# Altium PCB Base PCB.PcbDoc (part 1 of 2) (continued)
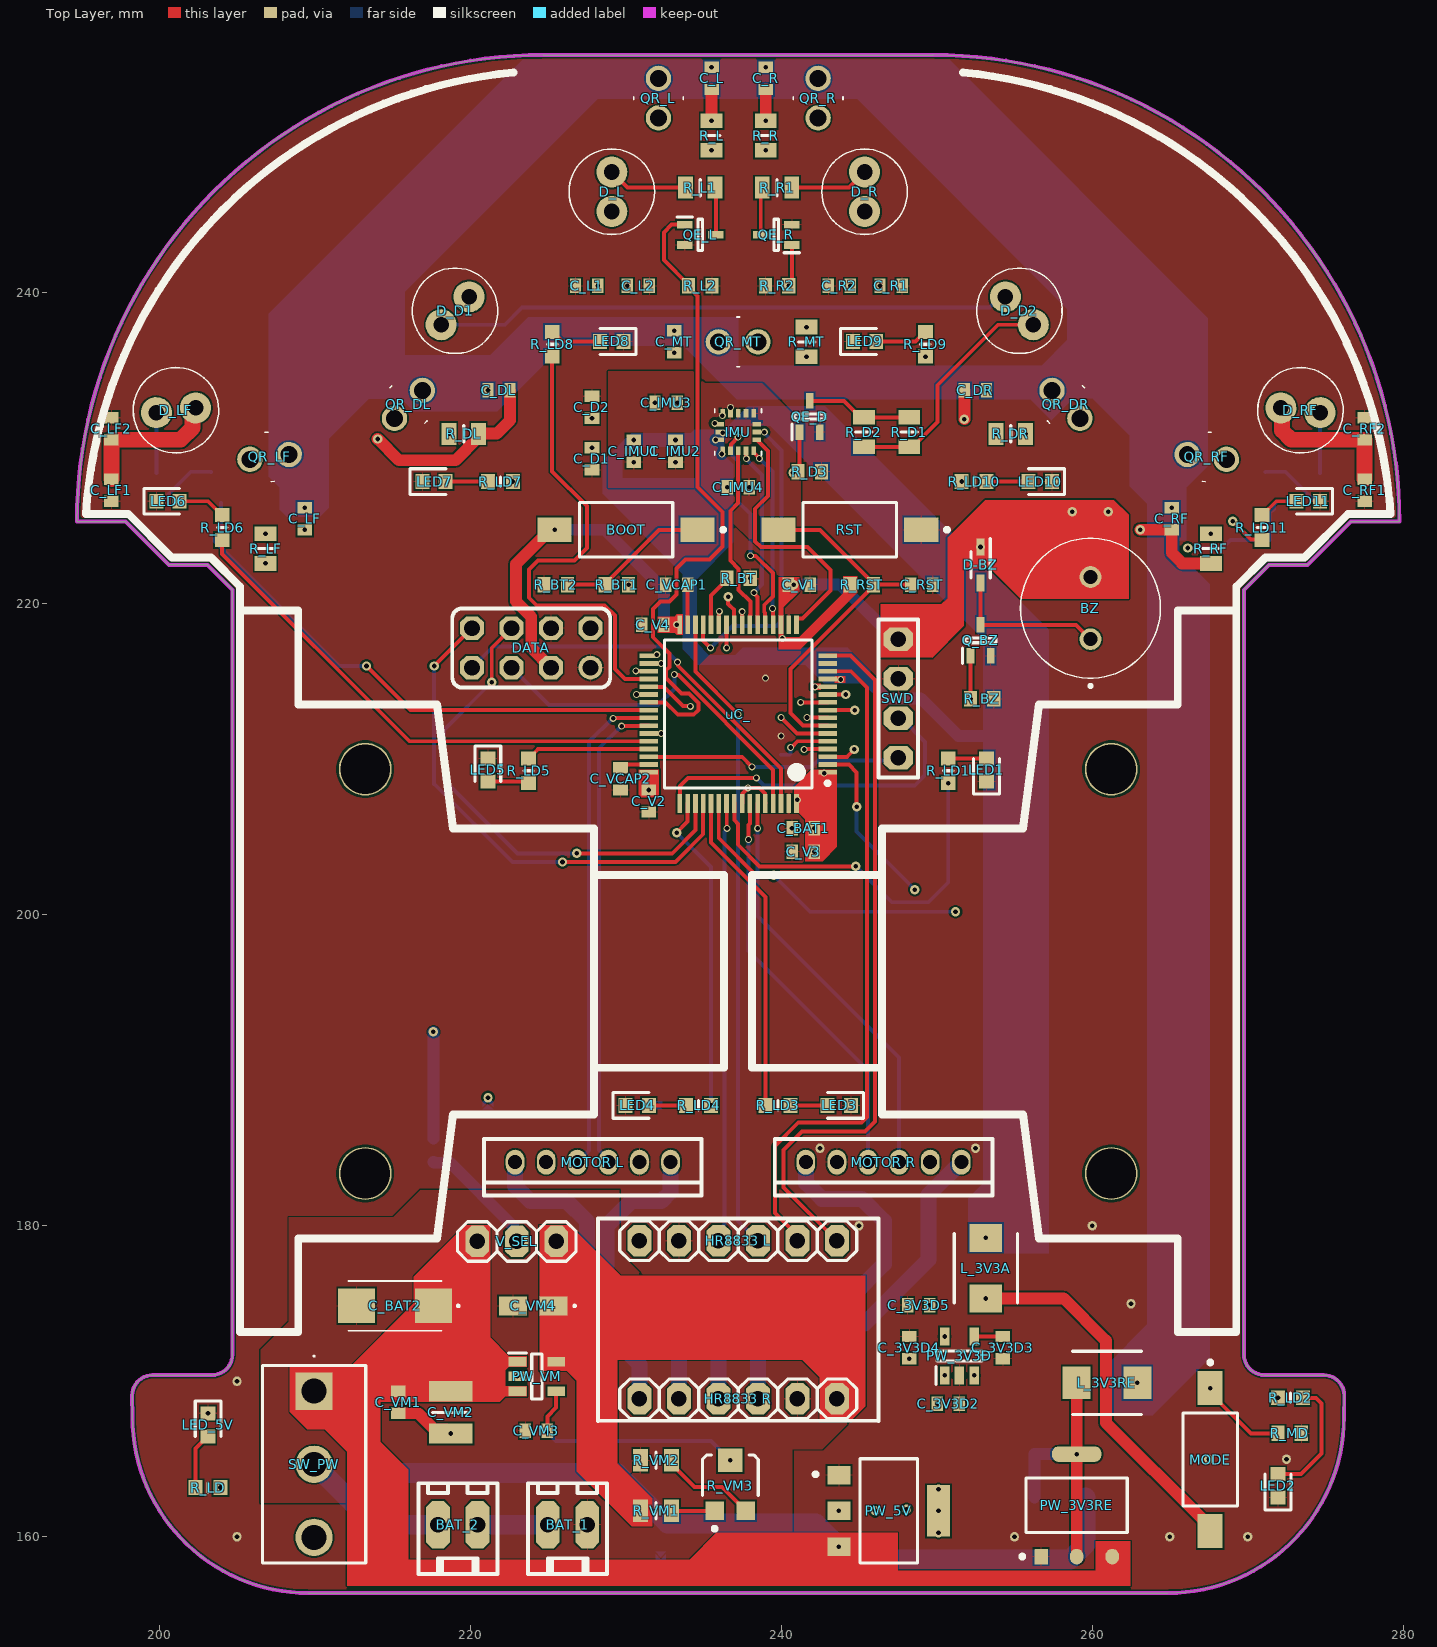
[diagram p0: Top Layer view]
## Components (designator, comment, footprint, x,y, rotation, side; value= is the part's Value field where it differs from the comment) (continued)
BZ "QMB-09B-03" CST931AP 259.893,217.729 r0 top
C_3V3D1 "CL10A106KP8NNNC" CAPC1608X90N 250.75,168.554 r0 bottom
C_3V3D2 "CL10B104KB8NNNC" CAPC1608X90N 250.75,168.554 r0 top
C_3V3D3 "CL10B104KB8NNNC" CAPC1608X90N 254.254,172.174 r270 top
C_3V3D4 "CL10B104KB8NNNC" CAPC1608X90N 248.24,172.174 r90 top
C_3V3D5 "CL10A106KP8NNNC" CAPC1608X90N 248.845,174.904 r180 top
C_3V3RE1 "CL10A106KP8NNNC" CAPC1608X90N 258.855,162.535 r180 bottom
C_3V3RE2 "CL10B104KB8NNNC" CAPC1608X90N 258.851,160.63 r180 bottom
C_3V3RE3 "CL10B104KB8NNNC" CAPC1608X90N 256.286,161.825 r90 bottom
C_3V3RE4 "CL10A106KP8NNNC" CAPC1608X90N 255.576,165.322 r0 bottom
C_5V1 "CL21B105KBFNNNE" CAPC2012X135N 241.173,161.672 r270 bottom
C_5V2 "CL21A475KAQNNNE" CAPC2012X140N 246.041,162.492 r270 bottom
C_5V3 "CL10B104KB8NNNC" CAPC1608X90N 248.056,162.492 r90 bottom
C_BAT1 "CL10A225KP8NNNC" CAPC1608X90N 241.411,205.562 r0 top
C_BAT2 "T491C227K010AT" T491C 215.163,174.854 r180 top
C_BZ1 "CL10B104KB8NNNC" CAPC1608X90N 261.75,225.936 r180 bottom
C_BZ2 "CL10A106KP8NNNC" CAPC1608X90N 258,225.936 r0 bottom
C_D1 "CL10B104KB8NNNC" CAPC1608X90N 227.832,229.33 r90 top
C_D2 "CL10A475KP8NNNC" CAPC1608X90N 227.832,232.643 r270 top
C_DL "CL10A225KP8NNNC" CAPC1608X90N 221.852,233.731 r180 top
C_DR "CL10A225KP8NNNC" CAPC1608X90N 252.494,233.731 r0 top
C_IMU1 "CL10B104KB8NNNC" CAPC1608X90N 230.517,229.83 r90 top
C_IMU2 "CL10A106KP8NNNC" CAPC1608X90N 233.201,229.83 r90 top
C_IMU3 "CL10B103KB8NNNC" CAPC1608X90N 232.596,232.933 r180 top
C_IMU4 "CL10B104KB8NNNC" CAPC1608X90N 237.236,227.512 r180 top
C_L "CL10A225KP8NNNC" CAPC1608X90N 235.523,253.797 r90 top
C_L1 "CL10B104KB8NNNC" CAPC1608X90N 227.484,240.451 r0 top
C_L2 "CL10A475KP8NNNC" CAPC1608X90N 230.81,240.451 r180 top
C_LF "CL10A225KP8NNNC" CAPC1608X90N 209.357,225.476 r90 top
C_LF1 "CL10B104KB8NNNC" CAPC1608X90N 196.926,227.311 r90 top
C_LF2 "CL10A475KP8NNNC" CAPC1608X90N 196.926,231.262 r270 top
C_MT "CL10A225KP8NNNC" CAPC1608X90N 233.13,236.852 r90 top
C_R "CL10A225KP8NNNC" CAPC1608X90N 239.01,253.797 r90 top
C_R1 "CL10B104KB8NNNC" CAPC1608X90N 247.067,240.451 r180 top
C_R2 "CL10A475KP8NNNC" CAPC1608X90N 243.741,240.451 r0 top
C_RF "CL10A225KP8NNNC" CAPC1608X90N 265.115,225.476 r90 top
C_RF1 "CL10B104KB8NNNC" CAPC1608X90N 277.52,227.311 r90 top
C_RF2 "CL10A475KP8NNNC" CAPC1608X90N 277.52,231.262 r270 top
C_RST "CL10B104KB8NNNC" CAPC1608X90N 249.035,221.238 r180 top
C_V1 "CL10B104KB8NNNC" CAPC1608X90N 241.157,221.238 r180 top
C_V2 "CL10B104KB8NNNC" CAPC1608X90N 231.486,207.324 r270 top
C_V3 "CL10B104KB8NNNC" CAPC1608X90N 241.411,204.064 r0 top
C_V4 "CL10B104KB8NNNC" CAPC1608X90N 231.75,218.669 r180 top
C_VA1 "CL10A225KP8NNNC" CAPC1608X90N 241.046,215.935 r90 bottom
C_VA2 "CL10B104KB8NNNC" CAPC1608X90N 238.997,215.935 r90 bottom
C_VCAP1 "CL10A225KP8NNNC" CAPC1608X90N 233.278,221.238 r180 top
C_VCAP2 "CL10A225KP8NNNC" CAPC1608X90N 229.667,208.744 r270 top
C_VM1 "CL10B104KB8NNNC" CAPC1608X90N 215.367,168.659 r270 top
C_VM2 "CL32A107MPVNNNE" CAPC3225X280N 218.745,168.009 r270 top
C_VM3 "CL10B103KB8NNNC" CAPC1608X90N 224.257,166.829 r0 top
C_VM4 "T491A105K016AT" T491A 224.053,174.854 r180 top
D-BZ "1N4148WX-TP" SOD2512X115N 252.822,222.507 r270 top
D_D1 "SFH_4545" SFH4545 218.132,237.955 r45 top
D_D2 "SFH_4545" SFH4545 256.214,237.955 r135 top
D_L "SFH_4545" SFH4545 229.108,247.777 r270 top
D_LF "SFH_4545" SFH4545 199.816,232.299 r7 top
D_R "SFH_4545" SFH4545 245.364,247.777 r270 top
D_RF "SFH_4545" SFH4545 274.656,232.299 r173 top
DATA "OLED I2C / BT UART" MY_FE04-2 223.926,217.17 r180 top locked
"HR8833 L" "Header 6" My_1X06 237.236,179.045 r0 top
"HR8833 R" "Header 6" My_1X06 237.236,168.885 r180 top
IMU "L3GD20HTR" H3LIS100DLTR 237.236,231.052 r90 top locked
L_3V3A "FXL0420-100-M" INDPM4441X120N 253.16,177.284 r90 top
L_3V3RE "FXL0420-100-M" INDPM4441X120N 260.954,169.909 r0 top
LED1 "NCD0603B1" LEDC1608X40N 253.204,209.319 r90 top
LED2 "NCD0603B1" LEDC1608X40N 271.95,163.285 r90 top
LED3 "NCD0603B1" LEDC1608X40N 243.736,187.75 r180 top
LED4 "NCD0603B1" LEDC1608X40N 230.736,187.75 r0 top
LED5 "NCD0603B1" LEDC1608X40N 221.142,209.319 r270 top
LED6 "NCD0603B1" LEDC1608X40N 200.566,226.601 r0 top
LED7 "NCD0603B1" LEDC1608X40N 217.677,227.87 r0 top
LED8 "NCD0603B1" LEDC1608X40N 229.108,236.876 r180 top
LED9 "NCD0603B1" LEDC1608X40N 245.364,236.876 r0 top
LED10 "NCD0603B1" LEDC1608X40N 256.668,227.87 r180 top
LED11 "NCD0603B1" LEDC1608X40N 273.906,226.601 r180 top
LED_5V "NCD0603B1" LEDC1608X40N 203.14,167.199 r270 top
MODE "TS-1101-C-W" TECO-FSMSM-2_V 267.589,164.973 r270 top
"MOTOR L" "Header 6" MY_53253-0670 222.886,184.099 r0 top
"MOTOR R" "Header 6" MY_53253-0670 241.586,184.099 r0 top
OSC "CSTNE16M0V53L000R0" CSTNE16M0V53L000R0 240,211.5 r270 bottom
PW_3V3D "TPS73633DBVR" SOT95P280X145-5N 251.46,171.634 r90 top
PW_3V3RE "AMS1117-3.3" FP-AMS1117-IPC_C 259.004,162.027 r90 top
PW_5V "LDL1117S50R" FP-SOT-223-0046067_14-MFG 246.913,161.672 r0 top
PW_VM "SPX3819M5-L/TR" SOT95P280X145-5N 224.282,170.319 r0 top
Q_BZ "DMN3150LW-7" SOT65P210X110-3N 252.822,217.655 r90 top
QE_D "DMN3150LW-7" SOT65P210X110-3N 241.833,232.052 r90 top
QE_L "DMN3150LW-7" SOT65P210X110-3N 234.798,243.737 r0 top
QE_LF "DMN3150LW-7" SOT65P210X110-3N 203.316,227.482 r90 bottom
QE_R "DMN3150LW-7" SOT65P210X110-3N 239.685,243.737 r180 top
QE_RF "DMN3150LW-7" SOT65P210X110-3N 271.156,227.482 r90 bottom
QR_DL "TEFT4300" TEFT4300 216.029,232.833 r45 top
QR_DR "TEFT4300" TEFT4300 258.316,232.833 r135 top
QR_L "TEFT4300" TEFT4300 232.109,252.527 r90 top
QR_LF "TEFT4300" TEFT4300 207.097,229.453 r7 top
QR_MT "TEFT4300" TEFT4300 237.236,236.852 r180 top
QR_R "TEFT4300" TEFT4300 242.376,252.527 r90 top
QR_RF "TEFT4300" TEFT4300 267.375,229.453 r173 top
R_BT "CRCW060347K0FKEA" RESC1608X50N 237.267,221.644 r180 top
R_BT1 "CRCW060347K0FKEA" RESC1608X50N 229.439,221.238 r180 top
R_BT2 "CRCW060347K0FKEA" RESC1608X50N 225.5,221.238 r0 top
R_BZ "CRCW060347K0FKEA" RESC1608X50N 252.922,213.893 r180 top
R_D1 "CRCW08055R60FKEA" RESC2012X60N 248.23,231.052 r90 top
R_D2 "CRCW08055R60FKEA" RESC2012X60N 245.324,231.052 r90 top
R_D3 "CRCW060347K0FKEA" RESC1608X50N 241.835,228.512 r180 top
R_DL "CRCW08051K80FKEA" RESC2012X60N 219.582,230.935 r180 top
R_DR "CRCW08051K80FKEA" RESC2012X60N 254.764,230.935 r0 top
R_L "CRCW08051K80FKEA" RESC2012X60N 235.523,250.122 r270 top
R_L1 "CRCW080510R0FKEAC" RESC2012X60N 234.798,246.777 r0 top
R_L2 "CRCW060347K0FKEA" RESC1608X50N 234.798,240.451 r180 top
R_LD "CRCW0603100RFKEAC" RESC1608X55N 203.14,163.172 r0 top
R_LD1 "CRCW0603100RFKEAC" RESC1608X55N 250.745,209.269 r270 top
R_LD2 "CRCW0603100RFKEAC" RESC1608X55N 272.75,168.943 r180 top
R_LD3 "CRCW0603100RFKEAC" RESC1608X55N 239.786,187.75 r180 top
R_LD4 "CRCW0603100RFKEAC" RESC1608X55N 234.686,187.75 r0 top
R_LD5 "CRCW0603100RFKEAC" RESC1608X55N 223.75,209.269 r90 top
R_LD6 "CRCW0603100RFKEAC" RESC1608X55N 204.048,224.907 r270 top
R_LD7 "CRCW0603100RFKEAC" RESC1608X55N 221.942,227.87 r0 top
R_LD8 "CRCW0603100RFKEAC" RESC1608X55N 225.274,236.702 r270 top
R_LD9 "CRCW0603100RFKEAC" RESC1608X55N 249.277,236.702 r270 top
R_LD10 "CRCW0603100RFKEAC" RESC1608X55N 252.404,227.87 r180 top
R_LD11 "CRCW0603100RFKEAC" RESC1608X55N 270.919,224.907 r270 top
R_LF "CRCW08051K80FKEA" RESC2012X60N 206.836,223.557 r90 top
R_LF1 "CRCW080510R0FKEAC" RESC2012X60N 199.816,227.457 r270 bottom
R_LF2 "CRCW060347K0FKEA" RESC1608X50N 202.798,224.107 r0 bottom
R_MD "CRCW060347K0FKEA" RESC1608X50N 272.7,166.649 r180 top
R_MT "CRCW08051K80FKEA" RESC2012X60N 241.633,236.852 r90 top
R_R "CRCW08051K80FKEA" RESC2012X60N 239.01,250.122 r270 top
R_R1 "CRCW080510R0FKEAC" RESC2012X60N 239.735,246.777 r180 top
R_R2 "CRCW060347K0FKEA" RESC1608X50N 239.735,240.451 r0 top
R_RF "CRCW08051K80FKEA" RESC2012X60N 267.636,223.557 r90 top
R_RF1 "CRCW080510R0FKEAC" RESC2012X60N 274.656,227.457 r270 bottom
R_RF2 "CRCW060347K0FKEA" RESC1608X50N 272.169,224.107 r180 bottom
R_RST "CRCW060347K0FKEA" RESC1608X50N 245.196,221.238 r180 top
R_V1 "CRCW060347K0FKEA" RESC1608X50N 217.633,184.849 r270 bottom
R_V2 "CRCW060347K0FKEA" RESC1608X50N 216.883,192.481 r0 bottom
R_V3 "CRCW060347K0FKEA" RESC1608X50N 216.883,189.078 r0 bottom
R_VM1 "CRCW0805105KFKEA" RESC2012X50N 231.953,161.672 r180 top
R_VM2 "CRCW080524K9FKEA" RESC2012X50N 231.953,164.922 r0 top
R_VM3 "TC33X-2-103E" BOUR-TC33X-2_V 236.728,163.472 r90 top
RST "TS-1101-C-W" TECO-FSMSM-2_V 244.415,224.766 r180 top
SPL_AGND1 "JUMPER" JUMPER 232.029,187.7 r180 bottom
SPL_AGND2 "JUMPER" JUMPER 221.142,187.7 r180 bottom
SPL_MGND "JUMPER" JUMPER 232.258,158.826 r0 bottom
SW_PW "SS12D10G5" GH36P010001 209.956,169.369 r270 top
SWD "Header 4" MY_FE04 247.539,213.919 r270 top
uC_ "STM32F405RGT6" STM-LQFP64_V 237.236,212.919 r180 top
V_SEL "Header 3" My_1X03 223,179 r0 top

## Footprints (in the part's own frame and the unit in brackets; to place one, negate y for a bottom-side part, rotate by r counter-clockwise, add the part's x,y. Pads: shape width x height; smd on the part's side, far side on the other; paste and mask are expansions set on the pad)
BOUR-TC33X-2_V [mm] "SMD, 3-Leads, Body 3.8x3.6mm"
  rect 1.2x1.2 smd: 1(-1.8,1) 3(-1.8,-1)
  rect 1.5x1.6 smd: 2(1.45,0)
  silkscreen extent -3.07,-1.8 1.8,1.8
CAPC1608X90N [mm]
  rect 0.73x0.94 smd: 1(-0.71,0) 2(0.71,0)
  body extent -0.8,-0.4 0.8,0.4, height 0.9
CAPC2012X135N [mm]
  rect 0.91x1.39 smd: 1(-0.82,0) 2(0.82,0)
  silkscreen extent 0,-0.53 0,0.53, body extent -1,-0.63 1,0.63, height 1.35
CAPC2012X140N [mm]
  rect 0.94x1.43 smd: 1(-0.82,0) 2(0.82,0)
  silkscreen extent 0,-0.53 0,0.53, body extent -1,-0.63 1,0.63, height 1.4
CAPC3225X280N [mm]
  rect 1.3x2.82 smd: 1(-1.36,0) 2(1.36,0)
  silkscreen extent 0,-1.15 0,1.15, body extent -1.6,-1.25 1.6,1.25, height 2.8
CST931AP [mm]
  round 1.4 hole 0.9: 1(0,0) 2(0,4)
  silkscreen extent -4.5,-3.1 4.5,6.5, body extent -4.5,-2.49 4.5,6.51, height 4.5
CSTNE16M0V53L000R0 [mm]
  rect 0.4x1.9 smd: 1(1.2,0) 2(0,0) 3(-1.2,0)
  silkscreen extent 1.25,-1.5 1.35,-1.4, body extent -1.6,-0.65 1.6,0.65, height 1
FP-AMS1117-IPC_C [mm]
  rect 1.004x0.872 smd paste+0 mask+0: 1(-3.295,2.29)
  rrect100% 1.004x0.872 smd paste+0 mask+0: 2(-3.295,0) 3(-3.295,-2.29)
  rrect87% 1.004x3.182 smd paste+0 mask+0: 4(3.295,0)
  silkscreen extent -3.42,-3.25 1.75,3.62, body extent -3.9,-3.35 3.9,3.35, height 0.25
FP-SOT-223-0046067_14-MFG [mm]
  rect 1.5x1.2 smd paste+0 mask+0: 1(-3.2,2.3) 2(-3.2,0) 3(-3.2,-2.3)
  rect 1.5x3.3 smd paste+0 mask+0: 4(3.2,0)
  silkscreen extent -4.82,-3.35 1.85,3.35, body extent -4.05,-3.45 4.05,3.45, height 0.25
GH36P010001 [mm]
  rect 2.4x2.4 hole 1.6: 1(0,0)
  round 2.4 hole 1.6: 2(4.7,0) 3(9.4,0)
  silkscreen extent -2.3,-3.32 11.05,3.32, body extent -1.65,-3.32 11.05,3.32, height 13.35
H3LIS100DLTR [mm]
  rect 0.55x0.3 smd: 1(-1.2,1) 2(-1.2,0.5) 3(-1.2,0) 4(-1.2,-0.5) 5(-1.2,-1) 9(1.2,-1) 10(1.2,-0.5) 11(1.2,0) 12(1.2,0.5) 13(1.2,1)
  rect 0.3x0.55 smd: 6(-0.5,-1.2) 7(0,-1.2) 8(0.5,-1.2) 14(0.5,1.2) 15(0,1.2) 16(-0.5,1.2)
  silkscreen extent -1.5,-1.5 1.5,1.5, body extent -1.5,-1.5 1.5,1.5, height 1
INDPM4441X120N [mm]
  rect 1.8x2.1 smd: 1(-1.95,0) 2(1.95,0)
  silkscreen extent -2.22,-2.03 2.22,2.03, body extent -2.22,-2.03 2.22,2.03, height 1.2
JUMPER [mm]
  rect 0.65x0.55 smd paste-2.54 mask-2.54: 1(0,-0.45) 2(0,0.55)
  Top Layer region: -0.325,-0.197 0.003,0.13 0.325,-0.197
  Top Layer region: -0.325,-0.041 0,0.284 0.325,-0.041 0.325,0.317 -0.325,0.318
LEDC1608X40N [mm]
  rect 0.9x0.95 smd: 1(-0.75,0) 2(0.75,0)
  silkscreen extent -1.55,-0.82 0.75,0.82
My_1X03 [mil]
  oct 60x80 hole 39.37: 1(-100,0) 2(0,0) 3(100,0)
  silkscreen extent -150,-50 150,50, body extent -149,-49 147,49, height 323
My_1X06 [mil]
  oct 60x80 hole 39.37: 1(-250,0) 2(-150,0) 3(-50,0) 4(50,0) 5(150,0) 6(250,0)
  silkscreen extent -300,-50 300,50, body extent -300,-49 296,49, height 323
MY_6410-02 [mil]
  oct 60x120 hole 40: 1(50,0) 2(-50,0)
  silkscreen extent -100,-105 100,125
MY_53253-0670 [mm]
  oval 1.2x1.6 hole 0.9: 1(0,0) 2(2,0) 3(4,0) 4(6,0) 5(8,0) 6(10,0)
  silkscreen extent -2,-2.15 12,1.5, body extent -2,-2.12 12,1.53, height 5.55
MY_FE04 [mm]
  oct 1.524x1.905 hole 1: 1(-3.81,0) 2(-1.27,0) 3(1.27,0) 4(3.81,0)
  silkscreen extent -5.08,-1.27 5.08,1.27, body extent -5.2,-1.25 5.21,1.25, height 8.5
MY_FE04-2 [mil]
  round 60 hole 39.37: 1(-150,50)
  oct 60x60 hole 39.37: 2(-150,-50) 3(-50,50) 4(-50,-50) 5(50,50) 6(50,-50) 7(150,50) 8(150,-50)
  silkscreen extent -200,-100 200,100, body extent -205,-98 205,98, height 335
RESC1608X50N [mm]
  rect 0.85x1 smd: 1(-0.75,0) 2(0.75,0)
  body extent -0.79,-0.43 0.79,0.43, height 0.5
RESC1608X55N [mm]
  rect 0.9x0.95 smd: 1(-0.8,0) 2(0.8,0)
  silkscreen extent 0,-0.3 0,0.3, body extent -0.8,-0.4 0.8,0.4, height 0.55
RESC2012X50N [mm]
  rect 0.95x1.45 smd: 1(-1,0) 2(1,0)
  silkscreen extent 0,-0.53 0,0.53
RESC2012X60N [mm]
  rect 0.95x1.4 smd: 1(-0.95,0) 2(0.95,0)
  silkscreen extent 0,-0.53 0,0.53, body extent -1,-0.63 1,0.63, height 0.6
SFH4545 [mm]
  round 2 hole 1: 1(0,0) 2(2.54,0)
  silkscreen extent -1.48,-2.75 4.02,2.75
SOD2512X115N [mm]
  rect 1.1x0.5 smd: 1(-1.15,0) 2(1.15,0)
  silkscreen extent -1.7,-0.63 0.85,0.63, body extent -1.25,-0.63 1.25,0.63, height 1.04
SOT65P210X110-3N [mm]
  rect 1x0.5 smd: 1(-1,0.65) 2(-1,-0.65) 3(1,0)
  silkscreen extent -1.5,-1 0.15,1.15, body extent -1.1,-1.1 1.1,1.1, height 1.1
SOT95P280X145-5N [mm]
  rect 1.15x0.6 smd: 1(-1.25,0.95) 2(-1.25,0) 3(-1.25,-0.95) 4(1.25,-0.95) 5(1.25,0.95)
  silkscreen extent -1.83,-1.45 0.33,1.5, body extent -1.4,-1.45 1.4,1.45, height 1.45
STM-LQFP64_V [mm] "Thin QFP, 64-Leads, Body 10x10mm, Pitch 0.5mm, ST Recommended"
  rect 1.2x0.3 smd: 1(-5.75,3.75) 2(-5.75,3.25) 3(-5.75,2.75) 4(-5.75,2.25) 5(-5.75,1.75) 6(-5.75,1.25) 7(-5.75,0.75) 8(-5.75,0.25) 9(-5.75,-0.25) 10(-5.75,-0.75) 11(-5.75,-1.25) 12(-5.75,-1.75) 13(-5.75,-2.25) 14(-5.75,-2.75) 15(-5.75,-3.25) 16(-5.75,-3.75) 33(5.75,-3.75) 34(5.75,-3.25) 35(5.75,-2.75) 36(5.75,-2.25) 37(5.75,-1.75) 38(5.75,-1.25) 39(5.75,-0.75) 40(5.75,-0.25) 41(5.75,0.25) 42(5.75,0.75) 43(5.75,1.25) 44(5.75,1.75) 45(5.75,2.25) 46(5.75,2.75) 47(5.75,3.25) 48(5.75,3.75)
  rect 0.3x1.2 smd: 17(-3.75,-5.75) 18(-3.25,-5.75) 19(-2.75,-5.75) 20(-2.25,-5.75) 21(-1.75,-5.75) 22(-1.25,-5.75) 23(-0.75,-5.75) 24(-0.25,-5.75) 25(0.25,-5.75) 26(0.75,-5.75) 27(1.25,-5.75) 28(1.75,-5.75) 29(2.25,-5.75) 30(2.75,-5.75) 31(3.25,-5.75) 32(3.75,-5.75) 49(3.75,5.75) 50(3.25,5.75) 51(2.75,5.75) 52(2.25,5.75) 53(1.75,5.75) 54(1.25,5.75) 55(0.75,5.75) 56(0.25,5.75) 57(-0.25,5.75) 58(-0.75,5.75) 59(-1.25,5.75) 60(-1.75,5.75) 61(-2.25,5.75) 62(-2.75,5.75) 63(-3.25,5.75) 64(-3.75,5.75)
  silkscreen extent -5.87,-4.75 4.75,4.75
T491A [mm]
  rect 1.8x1.23 smd: 1(-1.31,0) 2(1.31,0)
  silkscreen extent -2.71,-0.05 -2.61,0.05, body extent -1.7,-0.9 1.7,0.9, height 1.81
T491C [mm]
  rect 2.37x2.23 smd: 1(-2.47,0) 2(2.47,0)
  silkscreen extent -4.12,-1.6 3,1.6, body extent -3.15,-1.75 3.15,1.75, height 2.81
TECO-FSMSM-2_V [mm] "SMD, 2-Leads, Body 6x3.5mm, Pitch 9.19mm"
  rect 2.2x1.6 smd: 1(-4.595,0)
  rect 2.18x1.6 smd: 2(4.595,0)
  silkscreen extent -6.37,-1.75 3,1.75
TEFT4300 [mm]
  round 1.635 hole 1.09: 1(-1.27,0) 2(1.27,0)
  silkscreen extent -0.1,-1.6 0.1,1.6

## Part data
BAT_1 BAT_2: "Header, 2-Pin", ASiD Part Number="Header 2-AS"
BOOT MODE RST: library part CMP-2000-07511-1, "None Without 50mA 6mm 50,000 Times 260gf 12V 3.6mm 2.5mm Rectangle button Standing paste SPST SMD Tactile Switches ROHS", Case\/Package=SMD/SMT, Contact Current Rating=50mA, Contact Resistance=100mOhm, Manufacturer="TE Connectivity", Max Operating Temperature=85degC, Max Voltage Rating (DC)=12V, Min Operating Temperature=-35degC, Operating Force=180gf, Package Description="2-Pin Surface Mount Device, Body 6 x 3.5 mm, Pitch 9.19 mm", Package Quantity=1000, Package Reference=FSMSM, Voltage Rating (DC)=24V, Actuator Length=1.07mm, Actuator Material=Polyamide, Contact Material=Brass, Contact Plating=Silver, Current Rating=50mA, Datasheet URL=http://www.te.com/commerce/DocumentDelivery/DDEController?Action=showdoc&DocId=Customer+Drawing%7F1437566-3%7FC2%7Fpdf%7FEnglish%7FENG_CD_1437566-3_C2_1437566_3_1_c.dwg.pdf%7F1437566-3, Datasheet Version="Rev. C2, 08/2014", Electrical Life=20000Cycles, ELV=Compliant, Illumination Type=Illuminated, Lead Free=LeadFree, Manufacturer URL=http://www.te.com/, Mechanical Life=20000Cycles, Mount=SurfaceMount, Mounting Technology=SurfaceMount, Orientation=Straight, Packaging=LoosePiece, REACH SVHC=Unknown, RoHSCompliant=true, Switch Travel=0.25mm, Termination=GullWing, Throw Configuration=SPST
BZ: library part CST-931AP, "85dB Passive (external drive) Electromagnetic Type 2.7kHz Plugin,D=9mm Buzzers ROHS", Manufacturer_Name="CUI Devices", Mouser Part Number=490-CST-931AP, Arrow Part Number=CST-931AP, Arrow Price/Stock=https://www.arrow.com/en/products/cst-931ap/cui-inc, Datasheet Link=https://www.cui.com/product/resource/cst-931ap.pdf, Height=5mm, Manufacturer_Part_Number=CST-931AP, Mouser Price/Stock=https://www.mouser.co.uk/ProductDetail/CUI-Devices/CST-931AP?qs=WyjlAZoYn50QTlAUyWPZCA%3D%3D
C_3V3D1 C_3V3D5 C_3V3RE1 C_3V3RE4 C_BZ2 C_IMU2: "Capacitor", Manufacturer_Name=SAMSUNG, Mouser Part Number=187-CL10A106KP8NNNC, Arrow Part Number=CL10A106KP8NNNC, Arrow Price/Stock=https://www.arrow.com/en/products/cl10a106kp8nnnc/samsung-electro-mechanics?region=europe, Datasheet Link=https://datasheet.datasheetarchive.com/originals/distributors/Datasheets-DGA10/2415998.pdf, Height=0.9mm, Manufacturer_Part_Number=CL10A106KP8NNNC, Mouser Price/Stock=https://www.mouser.co.uk/ProductDetail/Samsung-Electro-Mechanics/CL10A106KP8NNNC?qs=X6jEic%2FHinAlyfRHj7fKwg%3D%3D
C_3V3D2 C_3V3D3 C_3V3D4 C_3V3RE2 C_3V3RE3 C_5V3 C_BZ1 C_D1 C_IMU1 C_IMU4 C_L1 C_LF1 C_R1 C_RF1 C_RST C_V1 C_V2 C_V3 C_V4 C_VA2 C_VM1: "Capacitor", Manufacturer_Name=SAMSUNG, Mouser Part Number=187-CL10B104KB8NNNC, Arrow Part Number=CL10B104KB8NNNC, Arrow Price/Stock=https://www.arrow.com/en/products/cl10b104kb8nnnc/samsung-electro-mechanics?region=nac, Datasheet Link=https://datasheet.datasheetarchive.com/originals/distributors/Datasheets-DGA10/2408969.pdf, Height=0.9mm, Manufacturer_Part_Number=CL10B104KB8NNNC, Mouser Price/Stock=https://www.mouser.co.uk/ProductDetail/Samsung-Electro-Mechanics/CL10B104KB8NNNC?qs=349EhDEZ59rvGc2rLwVOdA%3D%3D
C_5V1: "Capacitor", Manufacturer_Name=SAMSUNG, Mouser Part Number=187-CL21B105KBFNNNE, Arrow Part Number=CL21B105KBFNNNE, Arrow Price/Stock=https://www.arrow.com/en/products/cl21b105kbfnnne/samsung-electro-mechanics?region=europe, Datasheet Link=https://componentsearchengine.com/Datasheets/2/CL21B105KBFNNNE.pdf, Height=1.35mm, Manufacturer_Part_Number=CL21B105KBFNNNE, Mouser Price/Stock=https://www.mouser.co.uk/ProductDetail/Samsung-Electro-Mechanics/CL21B105KBFNNNE?qs=yOVawPpwOwmddQEBPU6Y9A%3D%3D
C_5V2: "Capacitor", Manufacturer_Name=SAMSUNG, Mouser Part Number=187-CL21A475KAQNNNE, Arrow Part Number=CL21A475KAQNNNE, Arrow Price/Stock=https://www.arrow.com/en/products/cl21a475kaqnnne/samsung-electro-mechanics?region=europe, Datasheet Link=https://datasheet.datasheetarchive.com/originals/distributors/Datasheets_SAMA/7c2e9fae61a8ce6685f6522ddec12c79.pdf, Height=1.4mm, Manufacturer_Part_Number=CL21A475KAQNNNE, Mouser Price/Stock=https://www.mouser.co.uk/ProductDetail/Samsung-Electro-Mechanics/CL21A475KAQNNNE?qs=yOVawPpwOwkWIBpK%2Fbg0Aw%3D%3D
C_BAT1 C_DL C_DR C_L C_LF C_MT C_R C_RF C_VA1 C_VCAP1 C_VCAP2: "Capacitor", Manufacturer_Name=SAMSUNG, Mouser Part Number=187-CL10A225KP8NNNC, Arrow Part Number=CL10A225KP8NNNC, Arrow Price/Stock=https://www.arrow.com/en/products/cl10a225kp8nnnc/samsung-electro-mechanics?region=europe, Datasheet Link=https://datasheet.datasheetarchive.com/originals/distributors/Datasheets-DGA10/2411103.pdf, Height=0.9mm, Manufacturer_Part_Number=CL10A225KP8NNNC, Mouser Price/Stock=https://www.mouser.co.uk/ProductDetail/Samsung-Electro-Mechanics/CL10A225KP8NNNC?qs=hqM3L16%252Bxldb5UYUGQVB5Q%3D%3D
C_BAT2: "Capacitor Polarised", Manufacturer_Name=KEMET, Mouser Part Number=80-T491C227K010AT, Arrow Part Number=T491C227K010AT, Arrow Price/Stock=https://www.arrow.com/en/products/t491c227k010at/kemet-corporation, Datasheet Link=https://content.kemet.com/datasheets/KEM_T2005_T491.pdf, Height=2.8mm, Manufacturer_Part_Number=T491C227K010AT, Mouser Price/Stock=https://www.mouser.co.uk/ProductDetail/KEMET/T491C227K010AT?qs=wo4x%252BUeoG8X8nx3rGRELKA%3D%3D
C_D2 C_L2 C_LF2 C_R2 C_RF2: "Capacitor", Manufacturer_Name=SAMSUNG, Mouser Part Number=187-CL10A475KP8NNNC, Arrow Part Number=CL10A475KP8NNNC, Arrow Price/Stock=https://www.arrow.com/en/products/cl10a475kp8nnnc/samsung-electro-mechanics?region=europe, Datasheet Link=https://www.arrow.com/en/products/cl10a475kp8nnnc/samsung-electro-mechanics, Height=0.9mm, Manufacturer_Part_Number=CL10A475KP8NNNC, Mouser Price/Stock=https://www.mouser.co.uk/ProductDetail/Samsung-Electro-Mechanics/CL10A475KP8NNNC?qs=hqM3L16%252BxlfQRmkWsZz5vA%3D%3D
C_IMU3 C_VM3: "Capacitor", Manufacturer_Name=SAMSUNG, Mouser Part Number=187-CL10B103KB8NNNC, Arrow Part Number=CL10B103KB8NNNC, Arrow Price/Stock=https://www.arrow.com/en/products/cl10b103kb8nnnc/samsung-electro-mechanics?region=nac, Datasheet Link=https://datasheet.datasheetarchive.com/originals/distributors/Datasheets_SAMA/f3f01ceab90a863c6d6e9eba92d45bd3.pdf, Height=0.9mm, Manufacturer_Part_Number=CL10B103KB8NNNC, Mouser Price/Stock=https://www.mouser.co.uk/ProductDetail/Samsung-Electro-Mechanics/CL10B103KB8NNNC?qs=349EhDEZ59pAsZxZjVI0UQ%3D%3D
C_VM2: "Capacitor", Manufacturer_Name=SAMSUNG, Mouser Part Number=187-CL32A107MPVNNNE, Arrow Part Number=CL32A107MPVNNNE, Arrow Price/Stock=https://www.arrow.com/en/products/cl32a107mpvnnne/samsung-electro-mechanics?region=nac, Datasheet Link=http://uk.rs-online.com/web/p/products/7661179, Height=2.8mm, Manufacturer_Part_Number=CL32A107MPVNNNE, Mouser Price/Stock=https://www.mouser.co.uk/ProductDetail/Samsung-Electro-Mechanics/CL32A107MPVNNNE?qs=X6jEic%2FHinBwGsPYz57S5w%3D%3D
C_VM4: "Capacitor Polarised", Manufacturer_Name=KEMET, Mouser Part Number=80-T491A105K016, Arrow Part Number=T491A105K016AT, Arrow Price/Stock=https://www.arrow.com/en/products/t491a105k016at/kemet-corporation?region=nac, Datasheet Link=https://content.kemet.com/datasheets/KEM_T2005_T491.pdf, Height=1.8mm, Manufacturer_Part_Number=T491A105K016AT, Mouser Price/Stock=https://www.mouser.co.uk/ProductDetail/KEMET/T491A105K016AT?qs=rZB7yXOqaoskTND3m0TpXQ%3D%3D
D-BZ: "Diode", Manufacturer_Name=MCC, Mouser Part Number=833-1N4148WX-TP, Arrow Part Number=1N4148WX-TP, Arrow Price/Stock=https://www.arrow.com/en/products/1n4148wx-tp/micro-commercial-components?region=nac, Datasheet Link=https://www.mccsemi.com/pdf/Products/1N4148WX(SOD-323).pdf, Height=1.15mm, Manufacturer_Part_Number=1N4148WX-TP, Mouser Price/Stock=https://www.mouser.co.uk/ProductDetail/Micro-Commercial-Components-MCC/1N4148WX-TP?qs=Vo7e0yZOYdH7fKyVBspYOg%3D%3D
D_D1 D_D2 D_L D_LF D_R D_RF: "LED", Arrow Part Number="SFH 4545", Manufacturer_Name="ams OSRAM", Mouser Part Number=720-SFH4545, Arrow Price/Stock=https://www.arrow.com/en/products/sfh4545/osram-opto-semiconductors, Datasheet Link=https://datasheet.datasheetarchive.com/originals/distributors/DKDS41/DSANUWW0036915.pdf, Height=8.3mm, Manufacturer_Part_Number="SFH 4545", Mouser Price/Stock=https://www.mouser.co.uk/ProductDetail/ams-OSRAM/SFH-4545?qs=VcOkZLzzaubOJpq6Xyji1A%3D%3D
DATA: library part "Header 4X2", "Header, 8-Pin, Dual row", ASiD Part Number="Header 4X2-AS"
"HR8833 L" "HR8833 R" "MOTOR L" "MOTOR R": "Header, 6-Pin", ASiD Part Number="Header 6-AS"
IMU: "Integrated Circuit", Manufacturer_Name=STMicroelectronics, Mouser Part Number=511-L3GD20HTR, Arrow Part Number=L3GD20HTR, Arrow Price/Stock=https://www.arrow.com/en/products/l3gd20htr/stmicroelectronics?region=nac, Datasheet Link=http://www.st.com/content/ccc/resource/technical/document/datasheet/35/b1/e0/39/71/57/43/01/DM00060659.pdf/files/DM00060659.pdf/jcr:content/translations/en.DM00060659.pdf, Height=1mm, Manufacturer_Part_Number=L3GD20HTR, Mouser Price/Stock=https://www.mouser.co.uk/ProductDetail/STMicroelectronics/L3GD20HTR?qs=7v3IMFVTeKNoM%2F2Sb4QSlQ%3D%3D
L_3V3A L_3V3RE: library part PM4546.331NLT, "1.6A 10uH Integrated molded inductor ±20% 2.2A SMD,4.2x4.4mm Power Inductors ROHS", Manufacturer_Name="Pulse Electronics", Mouser Part Number=673-PM4546.331NLT, Datasheet Link=https://eu.mouser.com/datasheet/2/447/P823-2902976.pdf, Height=1.2mm, Manufacturer_Part_Number=PM4546.331NLT, Mouser Price/Stock=https://www.mouser.co.uk/ProductDetail/Pulse-Electronics/PM4546.331NLT?qs=l7cgNqFNU1hugV30hoiS7g%3D%3D
LED1 LED2 LED3 LED4 LED5 LED6 LED7 LED8 LED9 LED10 LED11 LED_5V: library part LB_Q39E-L2OO-35-1, "20mA Colorless transparent lens 80mcd~220mcd 463nm~475nm -30℃~+85℃ Blue 130° 72mW 2.6V~3.6V 0603 LED Indication - Discrete ROHS", Arrow Part Number="LB Q39E-L2OO-35-1", Manufacturer_Name="ams OSRAM", Mouser Part Number=720-LBQ39EL2N2351, Arrow Price/Stock=https://www.arrow.com/en/products/lbq39e-l2oo-35-1/osram-opto-semiconductors, Datasheet Link=https://componentsearchengine.com/Datasheets/1/LBQ39E-L2OO-35-1.pdf, Height=0.4mm, Manufacturer_Part_Number="LB Q39E-L2OO-35-1", Mouser Price/Stock=https://www.mouser.co.uk/ProductDetail/OSRAM-Opto-Semiconductors/LB-Q39E-L2OO-35-1?qs=74fRo9GAWsz%2FeNvglIOl1w%3D%3D
OSC: "Crystal or Oscillator", Manufacturer_Name="Murata Electronics", Mouser Part Number=81-CSTNE16M0V53L000R, Arrow Part Number=CSTNE16M0V53L000R0, Arrow Price/Stock=null?region=nac, Datasheet Link=https://www.murata.com/products/productdata/8805969166366/SPEC-CSTNE16M0V53L000R0.pdf, Height=1mm, Manufacturer_Part_Number=CSTNE16M0V53L000R0, Mouser Price/Stock=https://www.mouser.co.uk/ProductDetail/Murata-Electronics/CSTNE16M0V53L000R0?qs=vmHwEFxEFR%2FxinNCjb%2FE3g%3D%3D
PW_3V3D: "Integrated Circuit", Manufacturer_Name="Texas Instruments", Mouser Part Number=595-TPS73633DBVR, Arrow Part Number=TPS73633DBVR, Arrow Price/Stock=https://www.arrow.com/en/products/tps73633dbvr/texas-instruments?region=nac, Datasheet Link=http://www.ti.com/lit/gpn/tps736, Height=1.45mm, Manufacturer_Part_Number=TPS73633DBVR, Mouser Price/Stock=https://www.mouser.co.uk/ProductDetail/Texas-Instruments/TPS73633DBVR?qs=6zVL%252ByCp0mrGq%2FL4KaY0Yw%3D%3D
PW_3V3RE: library part CMP-209535-000001-1, "LDO Voltage Regulators 1A, 3.3V", Dropout Voltage=1.1V, Manufacturer="Advanced Monolithic Systems", Max Junction Temp=+125°C, Max Power Dissipation=1.2W, Max Supply Voltage=15V, Nominal Supply Current=5mA, Output Current=1A, Output Voltage=3.3V, Package=AMS1117, Temperature="-40°C to +125°C", Temperature Range Low=-40°C, Automotive=No, Category=IC, ComponentLink2Description=Datasheet, ComponentLink2URL=http://www.advanced-monolithic.com/pdf/ds1117.pdf, Device Class L1="Integrated Circuits (ICs)", Device Class L2="Power Management ICs", Device Class L3="Voltage Regulators - Linear", Height=1.8mm, Ipc Land Pattern Name=SOT229P700X180-4, Lead Free=Yes, Manufacturer Part Number=AMS1117-3.3, Number Of Outputs=1, Octopart=https://octopart.com/ams1117-3.3-advanced+monolithic+systems-25899300, Output Type=Fixed, RoHS=TRUE, Standoff Height=0.64mm, Temperature Range High=+125°C
PW_5V: library part CMP-12153-000005-1, "IC REG LINEAR 5V 1.2A SOT223", Dropout Voltage=350mV, Manufacturer=STMicroelectronics, Max Junction Temp=+150°C, Max Supply Voltage=18V, Min Supply Voltage=2.6V, Nominal Supply Current=250uA, Output Current=2A, Output Voltage=5V, Package=SOT-223-0046067_14, Temperature="-40°C to +125°C", Temperature Range High=+125°C, Temperature Range Low=-40°C, Accuracy Percentage=2%, Automotive=No, Category=IC, ComponentLink2Description=Datasheet, ComponentLink2URL=https://www.st.com/content/ccc/resource/technical/document/datasheet/group3/0e/5a/00/ca/10/1a/4f/a5/DM00366442/files/DM00366442.pdf/jcr:content/translations/en.DM00366442.pdf, Device Class L1="Integrated Circuits (ICs)", Device Class L2="Power Management ICs", Device Class L3="Voltage Regulators - Linear", Digikey Description="IC REG LINEAR 5V 1.2A SOT223", Height=1.9mm, Lead Free=Yes, Manufacturer Part Number=LDL1117S50R, Mouser Description="LDL1117 Series 1.2 A 5 V High PSRR LDO Linear Voltage Regulator - SOT-223", Number Of Outputs=1, Octopart=https://octopart.com/ldl1117s50r-stmicroelectronics-81876164, Output Type=Fixed, RoHS=TRUE, Standoff Height=0.02mm
PW_VM: library part SPX3819M5-L_TR, "Integrated Circuit", Manufacturer_Name=EXAR, Mouser Part Number=701-SPX3819M5-L/TR, Datasheet Link=https://componentsearchengine.com/Datasheets/1/SPX3819M5-L_TR.pdf, Height=1.45mm, Manufacturer_Part_Number=SPX3819M5-L/TR, Mouser Price/Stock=https://www.mouser.com/Search/Refine.aspx?Keyword=701-SPX3819M5-L%2FTR
Q_BZ QE_D QE_L QE_LF QE_R QE_RF: "MOSFET (N-Channel)", Manufacturer_Name="Diodes Incorporated", Mouser Part Number=621-DMN3150LW-7, Arrow Part Number=DMN3150LW-7, Arrow Price/Stock=https://www.arrow.com/en/products/dmn3150lw-7/diodes-incorporated, Datasheet Link=https://www.diodes.com/assets/Datasheets/ds31514.pdf, Height=1.1mm, Manufacturer_Part_Number=DMN3150LW-7, Mouser Price/Stock=https://www.mouser.co.uk/ProductDetail/Diodes-Incorporated/DMN3150LW-7?qs=ptj1V1atRAqvGijpY%2FDU4Q%3D%3D
QR_DL QR_DR QR_L QR_LF QR_MT QR_R QR_RF: "Phototransistor", Manufacturer_Name=Vishay, Mouser Part Number=782-TEFT4300, Arrow Part Number=TEFT4300, Arrow Price/Stock=https://www.arrow.com/en/products/teft4300/vishay?region=nac, Datasheet Link=https://datasheet.datasheetarchive.com/originals/distributors/Datasheets-310/86913.pdf, Height=6.1mm, Manufacturer_Part_Number=TEFT4300, Mouser Price/Stock=https://www.mouser.co.uk/ProductDetail/Vishay-Semiconductors/TEFT4300?qs=HsFHTXumnCRbcrt8oPFPMA%3D%3D
R_BT R_BT1 R_BT2 R_BZ R_D3 R_L2 R_LF2 R_MD R_R2 R_RF2 R_RST R_V1 R_V2 R_V3: "Resistor", Manufacturer_Name=Vishay, Mouser Part Number=71-CRCW0603-47K-E3, Arrow Part Number=CRCW060347K0FKEA, Arrow Price/Stock=https://www.arrow.com/en/products/crcw060347k0fkea/vishay?region=nac, Datasheet Link=http://www.vishay.com/docs/20035/dcrcwe3.pdf, Height=0.5mm, Manufacturer_Part_Number=CRCW060347K0FKEA, Mouser Price/Stock=https://www.mouser.co.uk/ProductDetail/Vishay-Dale/CRCW060347K0FKEA?qs=yJVtgANCw03gcaACf6JZKA%3D%3D
R_D1 R_D2: library part CRCW08055R60FKEAHP, "Resistor", Manufacturer_Name=Vishay, Mouser Part Number=71-CRCW08055R60FKEAH, Datasheet Link=https://componentsearchengine.com/Datasheets/1/CRCW08051R00FKEAHP.pdf, Height=0.6mm, Manufacturer_Part_Number=CRCW08055R60FKEAHP, Mouser Price/Stock=https://www.mouser.co.uk/ProductDetail/Vishay-Dale/CRCW08055R60FKEAHP?qs=40TFAHZMFve7x%252BtJvdQU6Q%3D%3D
R_DL R_DR R_L R_LF R_MT R_R R_RF: library part CRCW08051K80FKEAC, "Resistor", Manufacturer_Name=Vishay, Mouser Part Number=71-CRCW08051K80FKEAC, Arrow Part Number=CRCW08051K80FKEAC, Arrow Price/Stock=https://www.arrow.com/en/products/crcw08051k80fkeac/vishay, Datasheet Link=https://g.componentsearchengine.com/Datasheets/1/CRCW08051K30FKEAC.pdf, Height=0.6mm, Manufacturer_Part_Number=CRCW08051K80FKEAC, Mouser Price/Stock=https://www.mouser.co.uk/ProductDetail/Vishay-Dale/CRCW08051K80FKEAC?qs=E3Y5ESvWgWN24%2FavPduZ0A%3D%3D
R_L1 R_LF1 R_R1 R_RF1: "Resistor", Manufacturer_Name=Vishay, Mouser Part Number=71-CRCW080510R0FKEAC, Arrow Part Number=CRCW080510R0FKEAC, Arrow Price/Stock=https://www.arrow.com/en/products/crcw080510r0fkeac/vishay?region=nac, Datasheet Link=https://www.arrow.com/en/products/crcw080510r0fkeac/vishay, Height=0.6mm, Manufacturer_Part_Number=CRCW080510R0FKEAC, Mouser Price/Stock=https://www.mouser.co.uk/ProductDetail/Vishay-Dale/CRCW080510R0FKEAC?qs=E3Y5ESvWgWM6RDjxtLx2og%3D%3D
R_LD R_LD1 R_LD2 R_LD3 R_LD4 R_LD5 R_LD6 R_LD7 R_LD8 R_LD9 R_LD10 R_LD11: "Resistor", Manufacturer_Name=Vishay, Mouser Part Number=71-CRCW0603100RFKEAC, Arrow Part Number=CRCW0603100RFKEAC, Arrow Price/Stock=https://www.arrow.com/en/products/crcw0603100rfkeac/vishay?utm_currency=USD&region=nac, Datasheet Link=https://componentsearchengine.com/Datasheets/1/CRCW0603100RFKEAC.pdf, Height=0.55mm, Manufacturer_Part_Number=CRCW0603100RFKEAC, Mouser Price/Stock=https://www.mouser.co.uk/ProductDetail/Vishay-Dale/CRCW0603100RFKEAC?qs=E3Y5ESvWgWPJqb4%2F19sAKw%3D%3D
R_VM1: "Resistor", Manufacturer_Name=Vishay, Mouser Part Number=71-CRCW0805-105K-E3, Arrow Part Number=CRCW0805105KFKEA, Arrow Price/Stock=https://www.arrow.com/en/products/crcw0805105kfkea/vishay, Datasheet Link=http://www.vishay.com/docs/20035/dcrcwe3.pdf, Height=0.5mm, Manufacturer_Part_Number=CRCW0805105KFKEA, Mouser Price/Stock=https://www.mouser.com/Search/Refine.aspx?Keyword=71-CRCW0805-105K-E3
R_VM2: "Resistor", Manufacturer_Name=Vishay, Mouser Part Number=71-CRCW0805-24.9K-E3, Arrow Part Number=CRCW080524K9FKEA, Arrow Price/Stock=https://www.arrow.com/en/products/crcw080524k9fkea/vishay, Datasheet Link=http://www.vishay.com/docs/20035/dcrcwe3.pdf, Height=0.5mm, Manufacturer_Part_Number=CRCW080524K9FKEA, Mouser Price/Stock=https://www.mouser.co.uk/ProductDetail/Vishay-Dale/CRCW080524K9FKEA?qs=hdPY9BlFm%252BfjvoBJhmYH%252Bw%3D%3D
R_VM3: library part CMP-2100-03695-1, "Trimming Potentiometer, 10000 Ohm, -40 to 100 degC, 3-Pin SMD, RoHS, Tape and Reel", Case/Package=SMD/SMT, Colour=Silver, Manufacturer=Bourns, Max Operating Temperature=100degC, Max Power Dissipation=100mW, Min Operating Temperature=-40degC, Package Description="3-Pin Surface Mount Device, Body 3.8 x 3.6 mm", Package Quantity=2500, Package Reference=TC33X-2, Resistance=10KOhm, Temperature Coefficient=250ppm/degreesC, Tolerance=25%, Voltage Rating (DC)=50V, Composition=Potentiometer, Contact Plating=Silver, Datasheet URL=http://www.bourns.com/docs/Product-Datasheets/TC33.pdf, Datasheet Version=42583.0, Depth=3.8mm, Height=0.047inch, Lead Free=LeadFree, Length=3mm, Manufacturer URL=http://www.bourns.com/, Military Standard=Not, Mount=SurfaceMount, Number of Turns=1, Packaging=TapeandReel, Power Rating=100mW, Radiation Hardening=No, REACH SVHC=NoSVHC, RoHSCompliant=true, Taper=Linear, Termination=FootPrint, Weight=29.4mg, Width=0.118inch
SPL_AGND1 SPL_AGND2 SPL_MGND: library part CMP-009-00061-2, Pins=2
SW_PW: library part GH36P010001, "Bend insert 2A Single Pole Double Throw (SPDT) 125V 3000 times Black Plugin Slide Switches ROHS", Manufacturer_Name=Apem, Mouser Part Number=642-GH36P010001, Datasheet Link=https://www.apem.com/media/apemProduct/PCB_slideswitches_serie_G.pdf, Height=13.35mm, Manufacturer_Part_Number=GH36P010001, Mouser Price/Stock=https://www.mouser.co.uk/ProductDetail/Apem/GH36P010001?qs=VdTcGPmBZ7BA0hpkTJ33kw%3D%3D
SWD: "Header, 4-Pin", ASiD Part Number="Header 4-AS"
uC_: library part CMP-0243-00019-3, "ARM Cortex-M4 32-bit MCU+FPU, 210 DMIPS, 1024 kB Flash, 192 kB Internal RAM, 51 I/Os, 64-pin LQFP, -40 to 85 degC, Tray", I/Os (High Current)=51, Manufacturer=STMicroelectronics, Operating Frequency(F) (Processor speed) (MHz)=168, Supply Voltage(Vcc) max (V)=3.6, Supply Voltage(Vcc) min (V)=1.8, ComponentLink1Description="Manufacturer URL", ComponentLink1URL=http://www.st.com/web/en/home.html, ComponentLink2Description=Datasheet, ComponentLink2URL=http://www.st.com/st-web-ui/static/active/en/resource/technical/document/datasheet/DM00037051.pdf, ComponentLink3Description="Package Specification", ComponentLink3URL=http://www.st.com/st-web-ui/static/active/en/resource/technical/document/datasheet/DM00037051.pdf, Core="ARM Cortex-M4", D/A Converter=2x12-bit, DatasheetVersion="Rev. 4", FLASH Size (Prog) (kB)=1024, Internal RAM Size (kB)=192, Mounting Technology="Surface Mount", PackageDescription="64-Pin Low Profile Quad Flat Package, 10 x 10 mm Body, 0.5 mm Pitch", PackageReference=LQFP64, PackageVersion="Rev. 4, 06/2013", Packing=Tray, PartNumber=STM32F405RGT6
V_SEL: "Header, 3-Pin", ASiD Part Number="Header 3-AS"

## Free pads (board coordinates)
  round 3.4 hole 3.2: M3_1(213.25,209.37) M3_1(261.225,209.37) M3_2(213.25,183.371) M3_2(261.225,183.371)

## Via types
v1: diameter 0.6, hole 0.3, Top Layer to Bottom Layer, 114 vias
v2: diameter 0.45, hole 0.3, Top Layer to Bottom Layer, 47 vias

## Nets (pads, with @x,y where several pads share a name; then routed paths per layer and width w, separated by ;. In a path a pad name is that pad's centre, name@x,y a point inside that pad or via, vN(x,y) a via of type N, cw(c..) or ccw(c..) an arc to the next point about the centre after c; other vN are vias at no path point)
+3V3A: C_IMU1.2 C_IMU2.2 C_IMU4.2 C_VA1.2 C_VA2.2 IMU.1 IMU.15 IMU.16 L_3V3A.2 uC_.13 | length 9.8
  Bottom Layer w0.762: 245.507,215.169 246.757,213.919 248.971,213.919 251.384,211.506 253.822,211.506
  other v1: 253.16,179.234 236.526,227.512 230.517,230.54 233.201,230.54
  other v2: 243.822,215.142 236.186,229.641 235.788,230.552 236.245,231.002
+3V3D: "HR8833 L.1" "MOTOR L.2" "MOTOR R.5" BOOT.2 BZ.2 C_3V3D4.1 C_3V3D5.1 C_BAT1.2 C_BZ1.2 C_BZ2.2 C_V1.2 C_V2.1 C_V3.2 C_V4.1 D-BZ.1 DATA.3 L_3V3A.1 MODE.2 PW_3V3D.5 R_RST.2 SWD.1 uC_.1 uC_.19 uC_.32 uC_.48 uC_.64 | length 87.7
  Top Layer w0.762: DATA.3@225.196,215.9 223.926,217.17 223.926,219.177 222.936,220.167 222.936,222.561 225.141,224.766 v1(225.431,224.766) ; v1(253.16,175.334) 258.168,175.334 260.883,172.618 260.883,167.335 267.132,161.087 267.17,161.087 267.589,160.668 MODE.2@267.589,160.378
  Middle Layer 1 w0.762: v2(242.76,209.119) 242.76,210.528 244.069,211.836 245.262,211.836 245.72,211.379 251.104,211.379 253.441,213.716 253.441,223.038 v1(252.822,223.657) 251.8,223.657 251.231,223.088 251.231,219.659 249.301,217.729 SWD.1@247.539,217.729
  Bottom Layer w0.762: v1(225.431,224.766) 228.65,224.766 232.46,220.956 v1(232.46,218.669) ; v1(240.817,221.234) 240.821,221.238 243.811,221.238 247.32,217.729 SWD.1@247.539,217.729
  other v1: 248.24,171.464 250.51,172.884 249.555,174.904 242.121,204.064 242.121,205.562 231.486,208.034 258.71,225.936 261.04,225.936
  other v2: 241.036,207.395 240.069,217.771 233.274,218.669
+3V3RE: C_DL.2 C_DR.2 C_L.2 C_LF.2 C_MT.2 C_R.2 C_RF.2 L_3V3RE.2 QR_DL.2 QR_DR.2 QR_L.2 QR_LF.2 QR_MT.2 QR_R.2 QR_RF.2
  other v1: 262.904,169.909 209.357,226.186 265.115,226.186 221.142,233.731 253.204,233.731 233.13,237.562 235.523,254.507 239.01,254.507
+5V: C_3V3D1.1 C_3V3D2.1 C_5V2.2 C_5V3.1 C_D1.2 C_D2.2 C_L1.2 C_L2.2 C_LF1.2 C_LF2.2 C_R1.2 C_R2.2 C_RF1.2 C_RF2.2 D_D1.2 D_L.2 D_LF.2 D_R.2 D_RF.2 DATA.2 PW_3V3D.1 PW_3V3D.3 PW_5V.2 PW_5V.4 R_LD.2 | length 19
  Top Layer w1.016: C_LF1.2@196.926,228.021 C_LF2.2@196.926,230.552 201.367,230.552 202.149,231.334 202.149,232.42 D_LF.2@202.337,232.609 ; D_RF.2@272.135,232.609 272.211,232.533 272.211,231.147 272.806,230.552 C_RF2.2@277.52,230.552 C_RF1.2@277.52,228.021
  other v1: 250.113,160.274 243.713,161.672 246.041,161.672 250.113,161.671 248.056,161.782 250.113,163.068 203.94,163.172 250.04,168.554 250.51,170.384 252.41,170.384 227.832,230.04 227.832,231.933 228.194,240.451 230.1,240.451 244.451,240.451 246.357,240.451
+VBAT: C_3V3RE1.1 C_3V3RE2.1 C_5V1.2 C_BAT2.1 C_VM1.1 C_VM2.1 PW_3V3RE.3 PW_5V.3 PW_VM.1 PW_VM.3 SW_PW.1 V_SEL.1 | length 57.5
  Bottom Layer w1.27: SW_PW.1@209.956,169.369 215.216,164.109 229.438,164.109 232.695,160.852 C_5V1.2@241.173,160.852 242.233,160.852 244.538,158.547 258.589,158.547 259.565,159.523 C_3V3RE1.1@259.565,162.535
  other v1: 243.713,159.372
+VM: "HR8833 R.1" C_VM4.1 PW_VM.5 R_VM1.2 V_SEL.3
AGND1: C_IMU1.1 C_IMU2.1 C_IMU3.2 C_IMU4.1 C_VA1.1 C_VA2.1 IMU.8 IMU.9 IMU.10 IMU.11 IMU.12 IMU.13 SPL_AGND1.2 uC_.12
  other v1: 237.946,227.512 230.517,229.12 233.201,229.12 231.886,232.933
  other v2: 242.175,214.667 238.997,215.225 236.22,232.102 236.736,232.628
AGND2: C_DL.1 C_DR.1 C_L.1 C_LF.1 C_MT.1 C_R.1 C_RF.1 R_DL.1 R_DR.1 R_L.1 R_LF.1 R_MT.1 R_R.1 R_RF.1 SPL_AGND2.2 | length 24.4
  Top Layer w0.762: v1(214.046,230.607) 215.417,229.235 219.058,229.235 220.532,230.71 R_DL.1@220.532,230.935 220.547,230.95 221.704,230.95 222.562,231.808 C_DL.1@222.562,233.731 ; v1(235.523,251.072) C_L.1@235.523,253.087 ; v1(239.01,251.072) C_R.1@239.01,253.087 ; v1(251.784,231.877) C_DR.1@251.784,233.731 ; v1(263.093,224.766) C_RF.1@265.115,224.766 265.115,223.276 265.784,222.607 R_RF.1@267.636,222.607
  other v1: 221.142,188.25 206.836,222.607 209.357,224.766 253.814,230.935 241.633,235.902 233.13,236.142
BOOT: R_BT1.1 uC_.57 uC_.60 | length 21
  Top Layer w0.254: uC_.57@237.486,207.169 237.509,207.192 237.509,207.817 v2(237.861,208.169) ; v2@237.861,208.153 238.611,208.153 238.963,207.801 238.963,207.215 uC_.60@238.986,207.192
  Middle Layer 1 w0.254: v1(230.189,221.238) 229.412,220.461 229.412,214.704 231.92,212.196 232.498,212.196 236.525,208.169 v2(237.861,208.169)
BRX: DATA.8 uC_.52 | length 33.1
  Top Layer w0.254: v1(217.678,216.002) DATA.8@220.116,218.44 ; v1(225.933,203.403) 233.203,203.403 234.986,205.186 uC_.52@234.986,207.169
  Bottom Layer w0.254: v1(217.678,216.002) 217.678,208.432 222.707,203.403 v1(225.933,203.403)
BTX: DATA.6 uC_.51 | length 32
  Top Layer w0.254: v1(221.386,214.96) 221.386,217.17 DATA.6@222.656,218.44 ; v1(226.847,203.962) 232.994,203.962 234.486,205.454 uC_.51@234.486,207.169
  Bottom Layer w0.254: v1(221.386,214.96) 218.313,211.887 218.313,208.686 223.037,203.962 v1(226.847,203.962)
BUZZER: Q_BZ.1 R_BZ.2 uC_.37 | length 26.3
  Top Layer w0.254: uC_.37@231.486,214.669 232.467,214.669 233.69,213.446 234.123,213.446 v2(234.16,213.408) ; v1(252.172,213.893) Q_BZ.1@252.172,216.655
  Middle Layer 1 w0.254: v2(234.16,213.408) 234.176,213.408 234.407,213.639 240.208,213.639 243.002,216.433 249.632,216.433 v1(252.172,213.893)
CS: IMU.5 uC_.20 | length 11.7
  Top Layer w0.254: IMU.5@238.236,229.852 238.236,229.727 238.596,229.366 v2(238.596,229.356) ; v2(239.437,219.702) 239.463,219.676 239.463,218.692 uC_.20@239.486,218.669
  Bottom Layer w0.254: v2(238.596,229.356) 239.437,228.515 v2(239.437,219.702)
DIAGONAL_EMITTER: QE_D.1 R_D3.2 uC_.4 | length 36
  Top Layer w0.254: v1(240.762,228.426) 240.999,228.426 241.183,228.61 QE_D.1@241.183,231.052 ; v2(241.478,210.642) 241.491,210.655 242.972,210.655 uC_.4@242.986,210.669
  Middle Layer 1 w0.254: v1(240.762,228.426) 240.758,228.422 240.081,228.422 230.123,218.464 230.123,215.478 230.905,214.696 231.624,214.696 234.256,212.065 240.741,212.065 241.478,211.328 v2(241.478,210.642)
DL_RECEIVER: QR_DL.1 R_DL.2 uC_.25 | length 28.2
  Top Layer w0.254: v1(236.587,220.458) 236.587,220.002 236.963,219.626 236.963,218.692 uC_.25@236.986,218.669
  Middle Layer 2 w0.762: QR_DL.1@215.131,231.935 216.131,230.935 v1(218.632,230.935) 223.801,230.935 228.168,226.568 230.477,226.568 v1(236.587,220.458)
DR_RECEIVER: QR_DR.1 R_DR.2 uC_.9 | length 28
  Top Layer w0.254: uC_.9@242.986,213.169 v1(244.73,213.169)
  Middle Layer 2 w0.762: v1(244.73,213.169) 245.593,214.031 245.593,219.227 255.714,229.348 v1(255.714,230.935) 258.214,230.935 QR_DR.1@259.214,231.935
DRDY: IMU.6 uC_.17 | length 17
  Top Layer w0.254: IMU.6@238.436,230.552 239.141,229.847 239.141,226.933 238.328,226.12 238.328,224.027 238.709,223.647 241.706,223.647 243.18,222.174 243.18,220.862 241.368,219.051 uC_.17@240.986,219.051
"ENC LA": "MOTOR L.3" uC_.41 | length 31.8
  Top Layer w0.254: v2(229.19,212.642) 229.217,212.669 uC_.41@231.486,212.669
  Bottom Layer w0.254: 226.886,184.099 227.635,184.848 227.635,211.137 229.139,212.642 v2(229.19,212.642)
"ENC LB": "MOTOR L.4" uC_.42 | length 30.7
  Top Layer w0.254: v2(229.743,212.142) 229.757,212.155 231.013,212.155 231.024,212.166 uC_.42@231.483,212.166
  Bottom Layer w0.254: 228.886,184.099 228.886,184.295 228.295,184.885 228.295,210.718 229.719,212.142 v2(229.743,212.142)
"ENC RA": "MOTOR R.4" uC_.59 | length 26.8
  Top Layer w0.254: v2(238.486,205.562) uC_.59@238.486,207.169
  Bottom Layer w0.254: v2(238.486,205.562) 238.486,199.918 247.586,190.818 247.586,184.099